# Altium PCB PowerSupply-Motherboard.PcbDoc (part 1 of 2) (continued)
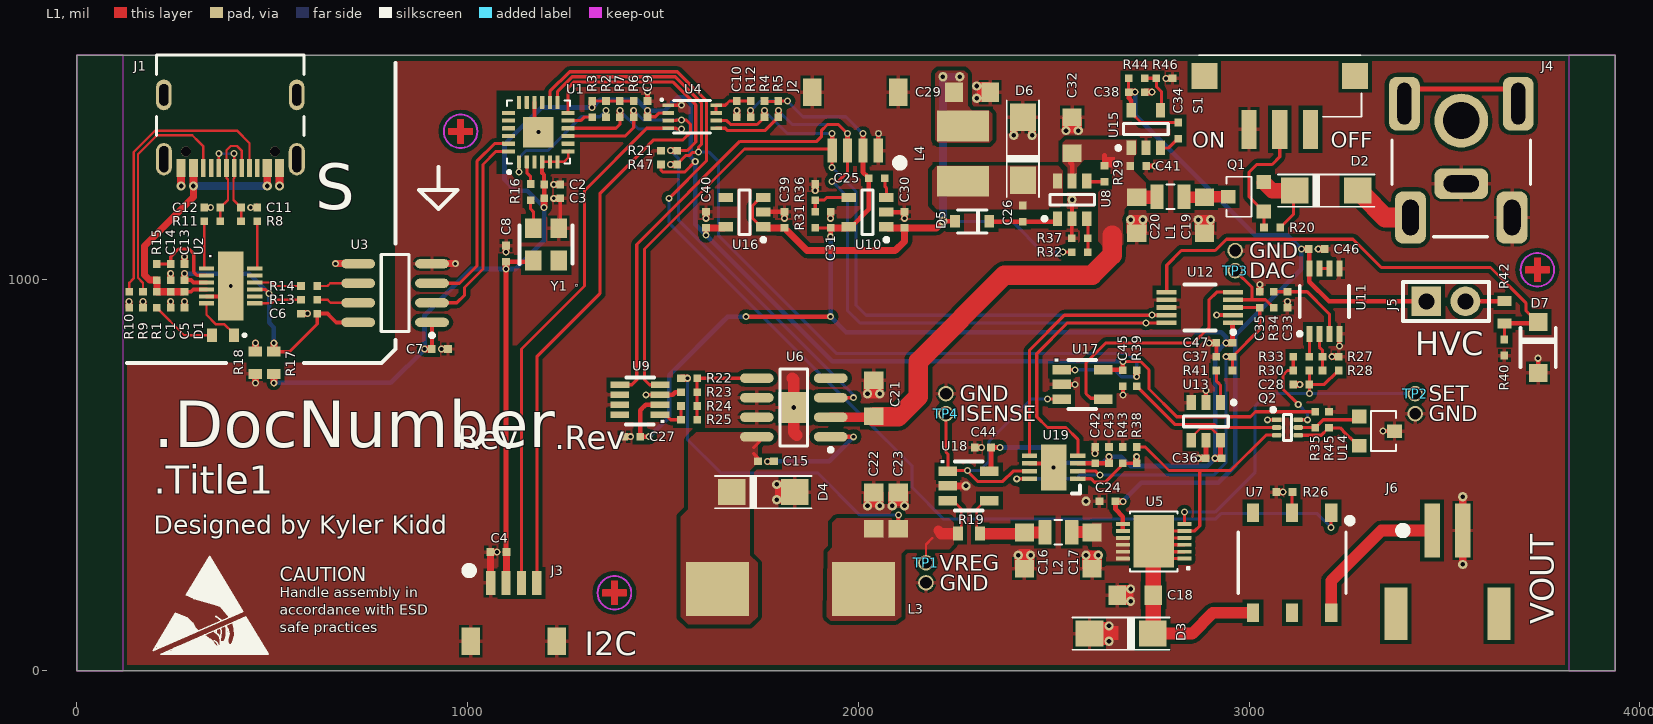
[diagram p0: L1 view]
## Footprints (in the part's own frame and the unit in brackets; to place one, negate y for a bottom-side part, rotate by r counter-clockwise, add the part's x,y. Pads: shape width x height; smd on the part's side, far side on the other; paste and mask are expansions set on the pad) (continued)
SMA [mm]
  rect 1.8x1.7 smd: 1(-2.068,0) 2(2.032,0)
  silkscreen extent -3.17,-1.08 3.13,1.05, body extent -2.74,-1.4 2.74,1.4, height 2.31
SOD-123 [mil]
  rect 46x48 smd: 1(-65,0) 2(65,0)
  silkscreen extent -50,-45 50,45, body extent -76,-32 76,35, height 56
SOD-323 [mm] "SOD-323/SC-76; 2 Leads; Body 1.7 x 1.3 mm, (LxW)"
  rect 0.63x0.83 smd: 1(1.115,0) 2(-1.115,0)
  silkscreen extent -0.95,-0.75 0.95,0.75, body extent -1.35,-0.63 1.35,0.62, height 1.1
SOIC-8 [mm]
  oval 2.2x0.6 smd mask+0.038: 1(-2.387,1.914) 2(-2.387,0.644) 3(-2.387,-0.626) 4(-2.387,-1.896) 5(2.413,-1.896) 6(2.413,-0.626) 7(2.413,0.644) 8(2.413,1.914)
  silkscreen extent -2.51,-2.49 0.91,2.89, body extent -2.93,-2.44 3.07,2.46, height 1.75
"SOIC-8 EP" [mm]
  oval 2.2x0.6 smd mask+0.038: 1(-2.404,1.905) 2(-2.404,0.635) 3(-2.404,-0.635) 4(-2.404,-1.905) 5(2.396,-1.905) 6(2.396,-0.635) 7(2.396,0.635) 8(2.396,1.905)
  rect 2x2 smd mask+0.038: 9(0,0)
  silkscreen extent -2.53,-2.5 0.9,2.88, body extent -2.95,-2.45 3.05,2.45, height 1.75
SOP-6 [mm]
  rect 0.8x1.2 smd: 1(-2.54,-3.25) 2(0,-3.25) 3(2.54,-3.25) 4(2.54,3.25) 5(0,3.25) 6(-2.54,3.25)
  silkscreen extent -3.88,-2.87 3.5,2, body extent -3.15,-3.32 3.15,3.32, height 2.1
SOT-23 [mm] "SOT-23"
  rect 0.9x0.95 smd mask+0.038: 1(-0.95,-1.15) 2(0,1.15) 3(0.95,-1.15)
  silkscreen extent -1.3,-0.37 1.3,1.25, body extent -1.46,-1.27 1.46,1.27, height 0.98
SOT-23-3 [mm] "TO-236-3, SC-59, SOT-23-3"
  rect 0.9x0.95 smd mask+0.038: 1(-1.009,-1.145) 2(0.891,-1.145) 3(-0.06,1.155)
  silkscreen extent -1.36,-0.37 1.24,1.26, body extent -1.46,-1.27 1.46,1.27, height 0.98
SOT-666 [mm] "6-Leads, Body 1.7x1.3mm, Pitch 0.5mm, Lead Span 1.7mm, IPC Medium Density"
  rect 0.6x0.3 smd mask+0.038: 1(-0.7,0.5)
  rrect50% 0.6x0.3 smd mask+0.038: 2(-0.7,0) 3(-0.7,-0.5) 4(0.7,-0.5) 5(0.7,0) 6(0.7,0.5)
  silkscreen extent -1.05,-0.85 0.25,1.28, body extent -0.8,-0.8 0.8,0.8, height 0.6
SOT-765 [mm] "8-MSOP (2.1 x 3.2 x 1.0 mm)"
  rect 0.75x0.25 smd mask+0.035: 1(-1.55,0.75) 2(-1.55,0.25) 3(-1.55,-0.25) 4(-1.55,-0.75) 5(1.55,-0.75) 6(1.55,-0.25) 7(1.55,0.25) 8(1.55,0.75)
  silkscreen extent -2,-1.05 1.2,1.12, body extent -1.62,-1.05 1.62,1.05, height 1
SW_SS312SAH4-R [mm]
  rect 2.55x1 smd: 1(1.525,-2) 2(1.525,0) 3(1.525,2)
  rect 1.7x1.7 smd: 4(-1.95,-4.9) 5(-1.95,4.9)
  silkscreen extent -3.3,-5.25 0.7,5.3, body extent -5.29,-5.25 2.16,5.25, height 3
TSOT23-5 [mm] "5-Lead Thin Small Outline Transistor Package [TSOT] (UJ-5)"
  rect 0.95x0.6 smd mask+0.038: 1(-1.225,0.95) 2(-1.225,0) 3(-1.225,-0.95) 4(1.225,-0.95) 5(1.225,0.95)
  silkscreen extent -1.35,-1.45 0.35,1.92, body extent -1.57,-1.48 1.62,1.42, height 0.94
TSOT-8 [mm]
  rect 0.4x1.22 smd mask+0.038: 1(-0.975,-1.31) 2(-0.325,-1.31) 3(0.325,-1.31) 4(0.975,-1.32) 5(0.975,1.3) 6(0.325,1.31) 7(-0.325,1.31) 8(-0.975,1.31)
  silkscreen extent -1.6,-0.93 1.45,0.9, body extent -1.44,-1.44 1.46,1.36, height 1
TSOT-23-5 [mm]
  rect 0.62x1.22 smd mask+0.038: 1(-0.95,-1.38) 2(0,-1.38) 3(0.95,-1.38) 4(0.95,1.32) 5(-0.95,1.32)
  silkscreen extent -1.6,-0.93 1.6,0.87, body extent -1.5,-1.53 1.5,1.47, height 1.46
TSOT-23-6 [mm]
  rect 0.95x0.6 smd mask+0.038: 1(-1.225,0.95) 2(-1.225,0) 3(-1.225,-0.95) 4(1.225,-0.95) 5(1.225,0) 6(1.225,0.95)
  silkscreen extent -1.35,-1.45 0.35,1.92, body extent -1.4,-1.5 1.4,1.5, height 0.86
TSW-102-xx-L-S [mil] "CONN MALE HEADER 2 POS .100\" T/H GOLD UNSHROUDED"
  rect 76x76 hole 41 mask+1.5: 1(-50,0)
  round 76 hole 41 mask+1.5: 2(50,0)
  silkscreen extent -110,-50 110,50, body extent -100,-50 100,50, height 330
USB4105-GF-A [mm]
  oval 1.05x2.1 hole 0.6 slot 1.7 at 90 deg: 1(-4.295,2.758) 4(4.345,2.758)
  oval 1x2 hole 0.6 slot 1.4 at 90 deg: 2(-4.295,-1.422) 3(4.345,-1.422)
  rect 0.6x1.15 smd: A1_B12(-3.175,3.333) A4_B9(-2.375,3.333) B1_A12(3.225,3.333) B4_A9(2.425,3.333)
  rect 0.3x1.15 smd: A5(-1.225,3.333) A6(-0.225,3.333) A7(0.275,3.333) A8(1.275,3.333) B5(1.775,3.333) B6(0.775,3.333) B7(-0.725,3.333) B8(-1.725,3.333)
  round 0.65 hole 0.65 unplated: ""(-2.865,2.258) ""(2.915,2.258)
  silkscreen extent -4.76,-4.02 4.82,1.23, body extent -4.47,-4.06 4.47,3.64, height 3.27
WURTH_WE-LHMI [mm] "Shield power inductor"
  rect 4.1x3.5 smd mask+0.038: 1(-4.75,0) 2(4.75,0)
  body extent -4.03,-4.06 3.97,3.94, height 4
XFL4020-xxxMEx [mm] "Fixed Inductor 4x4x2mm"
  rect 2x3.4 smd mask+0.038: 1(-1.8,0) 2(1.8,0)
  body extent -2.15,-2.15 2.15,2.15, height 2.08

## Part data
C1 C4 C39 C40 C43: library part CAP, "CAP CER 10UF 10V X5R 0402", Manufacturer="Samsung Electro-Mechanics", Part Number=CL05A106MP8NUB8, Voltage=10V, ClassName=-
C2 C5 C6 C7 C9 C10 C13 C14 C15 C27 C35 C37 C42 C44 C45 C46 C47: library part CAP, "CAP CER 0.1UF 50V X7R 0402", Manufacturer="Taiyo Yuden", Part Number=UMK105B7104KVHF, Voltage=50V
  C2 C5 C9 C10 C13 C14: ClassName=-
C3 C24 C30 C31 C36 C38 C41: library part CAP, "CAP MLCC 4.7UF 25V X5S 0402", Manufacturer="Murata Electronics", Part Number=GRM155C61E475ME15J, Voltage=25V, ClassName=-
C8 C25 C26 C28 C34: library part CAP, "CAP CER 0.01UF 100V X7R 0402", Manufacturer="Taiyo Yuden", Part Number=HMR105B7103MV-F, Voltage=100V
  C8: ClassName=-
C11 C12: library part CAP, "CAP CER 47PF 50V X7R 0402", Manufacturer=KEMET, Part Number=C0402C470K5RACAUTO, Voltage=50V, ClassName=-
C16 C17 C18 C19 C20 C21 C22 C23 C29 C32: library part CAP, "CAP CER 22UF 25V X5R 0805", Manufacturer="Samsung Electro-Mechanics", Part Number=CL21A226MAYNNNE, Voltage=25V
C33: library part CAP, "CAP CER 0.1UF 50V X7R 0603", Manufacturer=KEMET, Part Number=C0603C104K5RAC3121, Voltage=50V
D1: "LED HE RD 0603", Manufacturer=Bivar, Part Number=SM0603HCL, ClassName=-
D2 D4 D6: library part DIODE_SCHOTTKY, "DIODE SCHOTTKY 40V 2A SMA", Manufacturer="Diodes Incorporated", Part Number=B240A-13-F
D3: library part DIODE_ZENER, "TVS DIODE 12VWM UNI", Manufacturer="Eaton - Electronics Division", Part Number=SMAJE12AH
D5: library part DIODE, "DIODE GEN PURP 75V 150MA SOD323", Manufacturer="Taiwan Semiconductor", Part Number="1N4148WS-G RVG"
D7: library part DIODE_ZENER, "DIODE ZENER 7.5V 590MW SOD123", Manufacturer="Nexperia USA Inc.", Part Number=BZT52-B7V5X
J1: "CONN RCP USB2.0 TYP C 24P SMD RA", Manufacturer=GCT, Part Number=USB4105-GF-A
J2 J3: "JST 4 PIN SMT CONN", Manufacturer=JST, Part Number=CCSH-W10R-04TR-BK-A
J4: "CON PWR JCK 2.0 X 6.0MM W/SHLD 2.5A", Manufacturer="CUI Inc", Part Number=PJ-047A
J5: library part TSW-102-xx-L-S, "CONN MALE HEADER 2 POS .100\" T/H GOLD UNSHROUDED", Manufacturer=Samtec, Part Number=TSW-102-23-S-S
J6: "CONN HEADER SMD R/A 2POS 2MM", Manufacturer="JST Sales America Inc.", Part Number=S2B-PH-SM4-TB(LF)(SN)
L1 L2: library part SHIELDED_INDUCTOR, "FIXED IND 2.2UH 1.8A 139MOHM SMD", Manufacturer="Samsung Electro-Mechanics", Part Number=CIGT201610LH2R2MNE
L3: library part SHIELDED_INDUCTOR, "FIXED IND 10UH 5.2A 30 MOHM SMD", Manufacturer="Würth Elektronik", Part Number=74437368100
L4: library part SHIELDED_INDUCTOR, "FIXED IND 10UH 850MA 185MOHM SMD", Manufacturer=TDK, Part Number=VLCF4020T-100MR85
Q1: library part MOSFET_P, "MOSFET P-CH 30V 4.3A SOT23", Manufacturer="Diodes Incorporated", Part Number=DMP3056L-7
Q2: library part NPN_DUAL, "TRANS 2NPN 45V 0.1A SOT666", Manufacturer="Nexperia USA", Part Number=BCM847BV,115
R1 R2 R3 R47: library part RES, "RES 1K OHM 1% 1/16W 0402", Manufacturer=Bourns, Part Number=CR0402AFX-1001GLF, ClassName=-
R4 R5 R6 R7: library part RES, "RES SMD 2.7K OHM 1% 1/10W 0402", Manufacturer=Panasonic, Part Number=ERJ-2RKF2701X
R8 R11: library part RES, "RES SMD 27 OHM 1% 1/10W 0402", Manufacturer=Panasonic, Part Number=ERJ-2RKF27R0X, ClassName=-
R9 R10: library part RES, "RES SMD 5.1K OHM 1% 1/16W 0402", Manufacturer="Vishay / Dale", Part Number=CRCW04025K10FKED, ClassName=-
R12 R38: library part RES, "RES SMD 200K OHM 1% 1/16W 0402", Manufacturer=Bourns, Part Number=CR0402-FX-2003GLF
R13 R14 R16 R25 R41: library part RES, "RES 0 OHM JUMPER 1/16W 0402", Manufacturer="Vishay / Dale", Part Number=CRCW04020000Z0EDC, ClassName=-
R15 R20 R21 R22 R29 R35 R36 R37 R40 R46: library part RES, "RES SMD 10K OHM 1% 1/16W 0402", Manufacturer=Bourns, Part Number=CR0402-FX-1002GLF, ClassName=-
R17 R18: library part RES, "RES SMD 0 OHM JUMPER 1/3W 0603", Manufacturer="Vishay / Dale", Part Number=CRCW06030000Z0EAHP, ClassName=-
R19: library part RES, "RES 0.1 OHM 1% 1/10W 0603", Manufacturer="Panasonic Electronic Components", Part Number=ERJ-3RSFR10V
R23: library part RES, "RES SMD 6.34K OHM 1% 1/16W 0402", Manufacturer=Panasonic, Part Number=ERJ-U02F6341X
R24: library part RES, "RES SMD 680 OHM 1% 1/16W 0402", Manufacturer=Bourns, Part Number=CR0402-FX-6800GLF
R26: library part RES, "RES SMD 430 OHM 1% 1/16W 0402", Manufacturer="Bourns Inc.", Part Number=CR0402-FX-4300GLF
R27: library part RES, "RES SMD 10.2K OHM 0.1% 1/16W 0402", Manufacturer=Panasonic, Part Number=ERA-2APB1022X
R28: library part RES, "RES SMD 51K OHM 0.1% 1/16W 0402", Manufacturer=Panasonic, Part Number=ERA-2AEB513X
R30 R39: library part RES, "RES SMD 100 OHM 1% 1/16W 0402", Manufacturer=Panasonic, Part Number=ERJ-2RKF1000X
R31: library part RES, "RES SMD 30.9K OHM 1% 1/16W 0402", Manufacturer=Panasonic, Part Number=ERJ-2RKF3092X
R32: library part RES, "RES SMD 59K OHM 1% 1/16W 0402", Manufacturer="Vishay / Dale", Part Number=CRCW040259K0FKEDC
R33 R34: library part RES, "RES SMD 1K OHM 1% 1/16W 0402", Manufacturer=Bourns, Part Number=CR0402AFX-1001GLF
R42: library part RES, "RES 510 OHM 1% 1/10W 0603", Manufacturer=YAGEO, Part Number=RC0603FR-07510RL
R43: library part RES, "RES SMD 100K OHM 1% 1/16W 0402", Manufacturer=Bourns, Part Number=CR0402-FX-1003GLF, ClassName=-
R44: library part RES, "RES SMD 113K OHM 1% 1/16W 0402", Manufacturer="Vishay / Dale", Part Number=CRCW0402113KFKED
R45: library part RES, "RES SMD 1.2K OHM 1% 1/16W 0402", Manufacturer=Bourns, Part Number=CR0402-FX-1201GLF, ClassName=-
S1: "SWITCH SLIDE SPDT 0.4VA 28V", Manufacturer="NKK Switches", Part Number=SS312SAH4-R
TP1 TP2 TP3 TP4: library part TEST-POINT
U1: "IC UART I2C/SPI 24-HVQFN", Manufacturer="NXP USA Inc.", Part Number=SC16IS750IBS,128
U2: "IC USB SERIAL BASIC UART 12DFN", Manufacturer=FTDI, Part Number=FT234XD-R
U3: "2-CH 3KVRMS DIGITAL ISOLATOR", Manufacturer="Maxim Integrated", Part Number=MAX22421BASA+
U4: "IC TRNSLTR BIDIRECTIONAL 8VSSOP", Manufacturer="Texas Instruments", Part Number=LSF0102QDCURQ1
U5: "Linear Voltage Regulator IC Positive Adjustable 1 Output 3A 12-DFN (4x4)", Manufacturer="Analog Devices Inc.", Part Number=LT3083EDF#PBF
U6: "IC REG BUCK ADJUSTABLE 3A 8SOIC", Manufacturer="Analog Devices Inc.", Part Number=ADP2303ARDZ
U7: "SSR RELAY SPST-NO 4A 0-30V", Manufacturer="Omron Electronics Inc-EMC Div", Part Number=G3VM-31HR
U8: "IC REG BUCK ADJ 1A TSOT23-6", Manufacturer="Texas Instruments", Part Number=LMR12010XMKE/NOPB
U9: "IC DGTL POT xKOHM 256TAP SOT23-8", Manufacturer="Analog Devices Inc.", Part Number=AD5245BRJZ10-R2
U10 U15: library part LT1761ES5-BYP#TRMPBF, "IC REG LDO ADJ 0.1A TSOT23-5", Manufacturer="Linear Technology", Part Number=LT1761ES5-BYP#TRMPBF
U11: library part AD8072, "IC CMOS 2 CIRCUIT 8MSOP", Manufacturer="Analog Devices Inc.", Part Number=ADA4661-2ARMZ-R7
U12: "IC DAC 12BIT DUAL V-OUT 10MSOP", Manufacturer="Microchip Technology", Part Number=MCP47CMB22-E/UN
U13: library part MCP1501, "IC VREF SERIES 0.1% SOT23-6", Manufacturer="Microchip Technology", Part Number=MCP1501T-20E/CHY
U14: library part TL431xxDBZR, "IC VREF SHUNT ADJ SOT23-3", Manufacturer="Texas Instruments", Part Number=TLV431CDBZR
U16: library part ADP122AxxZ-xxx-R7, "IC REG LINEAR 3.3V 150MA TSOT5", Manufacturer="Analog Devices", Part Number=ADP121AUJZ-3.3-R7
U17: "IC COMP 1.6V SGL O-D SOT23-5", Manufacturer="Microchip Technology", Part Number=MCP6546T-E/OT
U18: "IC CURR SENSE 1 CIRCUIT SOT23-5", Manufacturer="Texas Instruments", Part Number=INA293A1QDBVRQ1
U19: "IC ADC 16BIT SIGMA-DELTA 8DFN", Manufacturer="Microchip Technology", Part Number=MCP3426A0-E/MC
Y1: library part ASE-XXXXX-MHZ-X-X, "XTAL OSC XO 14.7456MHZ CMOS SMD", Manufacturer=Abracon, ClassName=-, Part Number=ASE-14.7456MHZ-LC-T

## Free pads (board coordinates)
  round 40 hole 30: ""(2173.23,224.41) ""(2224.41,708.66) ""(2964.57,1074.8) ""(3425.2,657.48)

## Via types
v1: diameter 18, hole 10, L1 to L4, tented both sides, 118 vias
v2: diameter 23.62, hole 11.81, L1 to L4, tented both sides, 39 vias

## Nets (pads, with @x,y where several pads share a name; then routed paths per layer and width w, separated by ;. In a path a pad name is that pad's centre, name@x,y a point inside that pad or via, vN(x,y) a via of type N, cw(c..) or ccw(c..) an arc to the next point about the centre after c; other vN are vias at no path point)
+3.3V: C2.2 C3.2 C4.2 C7.2 C8.2 C9.2 C40.2 C45.2 J3.2 R2.2 R3.2 R6.2 R7.2 R17.1 R35.1 R47.2 U1.4 U1.5 U1.6 U1.7 U3.1 U4.2 U16.5 U17.5 Y1.4 | length 5522.9
  L1 w6: U1.4@1190.94,1301.77 1207.28,1301.77 U1.5@1208.66,1303.15 ; U1.5@1210.63,1301.77 U1.6@1230.31,1301.77 1246.65,1301.77 1257.28,1312.4 U1.7@1257.28,1328.74 ; U1.7@1259.84,1328.74 U1.7@1259.84,1330.71
  L1 w8: R3.2@1318.9,1457.68 R2.2@1354.33,1457.68 ; R2.2@1350.39,1456.69 1351.38,1457.68 R2.2@1354.33,1457.68 ; R7.2@1389.76,1456.69 1388.78,1457.68 R2.2@1354.33,1457.68 ; R7.2@1389.76,1457.68 1424.21,1457.68 R6.2@1425.2,1456.69 ; C9.2@1460.63,1417.32 1480.31,1417.32 1490.16,1427.17 U4.2@1513.78,1427.17 ; R47.2@1495.08,1295.28 1495.08,1280.51 1500,1275.59 1555.12,1275.59 v1(1582.68,1303.15) ; v1(2677.17,791.34) 2722.37,791.34 2744.09,769.62 2744.09,720.47 2814.96,649.61 3003.94,649.61 3016.73,662.4 R35.1@3169.29,662.4
  L1 w10: C7.2@908.46,822.83 908.46,888.78 U3.1@909.45,889.76 ; U1.4@1190.94,1301.77 1190.94,1273.62 1192.91,1271.65 1195.87,1268.7 C2.2@1195.87,1244.09
  L1 w12: C4.2@1098.43,307.09 v1(1098.43,1027.56) ; C8.2@1098.43,1046.26 1158.46,1046.26 Y1.4@1161.42,1043.31 ; J3.2@1099.41,239.17 J3.2@1102.36,236.22 ; C2.2@1192.91,1240.16 1195.87,1237.2 C3.2@1195.87,1208.66 ; v1(1610.24,1114.17) C40.2@1610.24,1129.92 ; U17.5@2626.77,769.68 2671.26,769.68 C45.2@2673.23,767.72 ; C45.2@2677.17,768.7 v1(2677.17,791.34)
  L1 w18: v1(503.94,736.22) R17.1@503.94,755.91 ; v1(889.76,822.83) C7.2@905.51,822.83 ; J3.2@1098.43,220.47 J3.2@1098.43,224.41 ; J3.2@1098.43,244.09 1099.41,245.08 C4.2@1099.41,303.15 ; C4.2@1098.43,303.15 C4.2@1099.41,304.13 ; v1(1098.43,1027.56) C8.2@1098.43,1046.26 ; v1(1195.87,1185.04) 1195.87,1207.68 C3.2@1196.85,1208.66 ; v1(1318.9,1440.94) R3.2@1318.9,1456.69 ; C9.2@1460.63,1417.32 v1(1460.63,1433.07) ; C40.2@1610.24,1132.87 1656.5,1132.87 U16.5@1657.48,1133.86
  L4 w12: v1(503.94,736.22) 803.15,736.22 v1(889.76,822.83) 889.76,909.45 1007.87,1027.56 v1(1098.43,1027.56) 1122.05,1027.56 1195.87,1101.38 v1(1195.87,1185.04) 1152.56,1228.35 1122.05,1228.35 1094.49,1255.91 1094.49,1346.46 1188.98,1440.94 v1(1318.9,1440.94) 1338.27,1460.32 1405.51,1460.32 ; 1405.51,1460.63 1433.07,1460.63 v1(1460.63,1433.07) 1503.94,1433.07 1537.72,1466.85 1556.77,1466.85 1570.87,1452.76 1570.87,1335.37 1570.55,1335.06 1570.55,1315.28 v1(1582.68,1303.15) 1582.68,1141.73 v1(1610.24,1114.17) 1933.07,791.34 v1(2677.17,791.34)
+3.3VB: C6.2 C13.2 R17.2 U2.3 U2.9 U3.8 | length 789
  L1 w8: 298.23,993.11 299.21,992.13 ; U2.9@455.71,975.39 481.3,975.39 v1(492.13,964.57) ; R17.2@503.94,815.94 544.29,815.94 615.16,886.81 C6.2@615.16,913.39
  L1 w10: C13.2@275.59,999.02 292.32,999.02 298.23,993.11 U2.3@331.69,993.11 ; C6.2@615.16,913.39 641.73,913.39 649.61,905.51 663.94,891.18 U3.8@719.96,891.18
  L1 w18: C13.2@275.59,1000 v1(275.59,1015.75) ; R17.2@503.94,815.94 v1(503.94,838.58)
  L4 w12: v1(275.59,1015.75) 440.94,1015.75 v1(492.13,964.57) 492.13,889.76 503.94,877.95 v1(503.94,838.58)
+5.0V: C25.1 C27.2 C31.2 C36.2 C42.2 C43.2 C44.2 C47.2 J2.2 R4.2 R5.2 R12.2 R31.2 U9.2 U10.5 U12.1 U13.4 U13.6 U18.5 U19.3 | length 4307.6
  L1 w6: U13.4@2852.36,589.57 2852.36,596.45 2874.02,618.11 2905.51,618.11 2913.19,610.43 ; 2913.39,610.24 2927.16,596.46 U13.6@2927.16,589.57
  L1 w8: R4.2@1759.84,1456.69 1794.29,1456.69 R5.2@1795.28,1457.68 1817.91,1457.68 v1@1818.9,1456.69 ; R31.2@1889.76,1133.86 1890.75,1132.87 C31.2@1929.13,1132.87
  L1 w12: v1(1464.57,598.43) C27.2@1441.93,598.43 1441.93,666.34 1452.76,677.17 1455.71,680.12 U9.2@1492.52,680.12 ; v1(1712.6,905.51) v1(1929.13,905.51) ; v1(1929.13,1110.24) C31.2@1929.13,1132.87 ; U10.5@1980.32,1133.86 2026.57,1180.12 C25.1@2026.57,1259.84 ; v1(2011.81,1374.02) J2.2@2011.81,1330.71 2011.81,1275.59 C25.1@2023.62,1263.78 ; U18.5@2338.58,511.81 2339.57,512.8 C44.2@2339.57,570.87 v1(2362.2,570.87) ; U19.3@2562.06,530.15 2601.01,530.15 C42.2@2602.36,531.5 ; C42.2@2606.3,530.51 2636.81,530.51 C43.2@2637.8,531.5 ; U13.6@2927.16,589.57 2927.16,549.22 C36.2@2929.13,547.24 ; C47.2@2957.68,838.58 2957.68,886.81 U12.1@2960.63,889.76
  L1 w18: R12.2@1724.41,1417.32 v1(1724.41,1433.07) ; C31.2@1929.13,1132.87 1967.52,1132.87 U10.5@1968.5,1133.86 ; U10.5@1975.39,1132.87 U10.5@1976.38,1133.86 ; C43.2@2641.73,531.5 v1(2641.73,547.24) ; v1(2913.39,543.31) C36.2@2930.12,543.31 ; v1(2940.94,838.58) C47.2@2956.69,838.58
  L4 w8: v1(1724.41,1433.07) 1749.02,1457.68 v1(1818.9,1457.68) ; v1@1818.9,1456.69 1858.27,1417.32 1968.5,1417.32 v1(2011.81,1374.02)
  L4 w12: v1(1464.57,598.43) 1515.75,649.61 1515.75,755.91 1657.48,897.64 ; 1531.5,771.65 1665.35,905.51 v1(1712.6,905.51) ; v1(1929.13,1110.24) v1(1929.13,905.51) 1968.5,866.14 2929.13,866.14 2940.94,854.33 v1(2940.94,838.58) 2913.39,811.02 v1(2913.39,543.31) 2893.39,523.31 2697.17,523.31 2688.98,531.5 2673.23,547.24 v1(2641.73,547.24) 2625.98,531.5 2531.5,531.5 2492.13,570.87 v1(2362.2,570.87)
+5.5V: C29.2 C30.2 C39.2 D5.1 L4.2 R32.2 U10.1 U16.1 U16.3 | length 1460.2
  L1 w8: U16.3@1744.09,1204.72 1729.19,1189.82 1729.19,1157.69 1751.05,1135.83 U16.1@1756.89,1135.83 ; v1(2523.62,1070.87) R32.2@2543.31,1070.87
  L1 w12: v2(2216.54,1149.61) D5.1@2247.44,1149.61
  L1 w18: U16.1@1767.72,1133.86 1768.7,1132.87 C39.2@1811.02,1132.87 1869.09,1074.8 2094.49,1074.8 2118.11,1098.43 C30.2@2118.11,1132.87 ; U10.1@2074.8,1133.86 U10.1@2075.79,1132.87 ; U10.1@2078.74,1133.86 2079.72,1132.87 C30.2@2118.11,1132.87 ; C30.2@2118.11,1133.86 C30.2@2118.11,1132.87 ; v2(2216.54,1149.61) 2199.8,1132.87 C30.2@2118.11,1132.87
  L4 w8: v2(2216.54,1149.61) 2393.7,1149.61 2472.44,1070.87 v1(2523.62,1070.87)
  L4 w20: v2(2216.54,1149.61) v2(2216.53,1519.69) v2(2259.84,1519.69)
+15.0V: C24.2 C34.1 C38.2 C46.2 J5.1 R44.2 U5.7 U5.8 U11.8 U15.5 | length 2339.7
  L1 w8: C38.2@2691.93,1480.32 2691.93,1514.76 R44.2@2692.91,1515.75 ; U15.5@2698.82,1434.06 2698.82,1427.17 2723.42,1402.56 C34.1@2818.9,1402.56
  L1 w12: C24.2@2658.46,433.07 2658.46,412.4 2677.17,393.7 U5.7@2677.17,377.95 ; U5.8@2677.17,358.27 U5.7@2677.17,375 ; C38.2@2692.91,1480.32 2692.91,1464.57 2698.82,1458.66 U15.5@2698.82,1434.06 ; v1(3133.86,1078.74) C46.2@3152.56,1078.74 3153.54,1078.74 3154.52,1077.77 U11.8@3154.52,1028.74 3154.52,995.09 3204.72,944.88 J5.1@3453.94,944.88 J5.1@3456.69,944.88
  L1 w18: C24.2@2658.46,433.07 v1(2677.17,433.07) ; C38.2@2691.93,1480.32 2692.91,1480.32 v1(2708.66,1480.32)
  L4 w12: v1(2677.17,433.07) 2724.41,480.32 2921.26,480.32 2964.57,523.62 2964.57,858.27 3133.86,1027.56 v1(3133.86,1078.74) 3098.43,1114.17 3015.75,1114.17 2708.66,1421.26 v1(2708.66,1480.32)
+HVC: J5.2 R42.2 | length 99.6
  L1 w12: J5.2@3553.94,944.88 R42.2@3653.54,944.88
+VEXT: D2.1 J4.1 | length 145.7
  L1 w50: D2.1@3291.34,1216.54 3348.43,1159.45 J4.1@3413.39,1159.45
CS+: C22.2 C23.2 L3.2 R19.2 R22.1 TP1.1 U18.3 | length 1043.7
  L1 w6: TP1.1@2173.23,275.59 2173.23,322.83 2188.98,338.58 ; U18.3@2229.13,435.04 2242.13,435.04 2263.78,413.39 R19.2@2263.78,358.27
  L1 w8: C23.2@2102.36,363.19 v1(2102.36,397.64)
  L1 w18: R22.1@1547.24,748.03 v1(1562.99,748.03)
  L1 w25: 2204.72,358.27 2212.6,350.39
  L1 w30: 2212.6,350.39 R19.2@2250,350.39
  L4 w8: v1(1562.99,748.03) 1562.99,590.55 1647.64,505.91 1895.67,505.91 2003.94,397.64 v1(2102.36,397.64)
CS-: C16.2 L2.1 R19.1 U18.4 | length 262.9
  L1 w6: R19.1@2303.15,354.33 2303.15,413.39 2324.8,435.04 U18.4@2335.43,435.04
  L1 w30: R19.1@2314.96,350.39 C16.2@2425.2,350.39 ; C16.2@2425.2,353.35 2473.43,353.35 L2.1@2476.38,350.39
EARTH: C1.1 C5.1 C6.1 C11.1 C12.1 C13.1 C14.1 J1.1 J1.2 J1.3 J1.4 J1.A1_B12 J1.B1_A12 R9.1 R10.1 R18.2 U2.5 U2.13 U3.5 | length 362.4
  L1 w10: U2.5@331.69,957.68 380.91,957.68 U2.13@381.89,956.69
  L1 w12: C12.1@326.77,1185.04 v1(342.52,1185.04) ; v1(444.88,1185.04) 456.69,1185.04 C11.1@460.63,1188.98
  L1 w18: R10.1@133.86,929.13 v1(133.86,944.88) ; R9.1@169.29,929.13 v1(169.29,944.88) ; C1.1@240.16,929.13 v1(240.16,944.88) ; C14.1@240.16,1000 v1(240.16,1015.75) ; C5.1@275.59,929.13 v1(275.59,944.88) ; C13.1@275.59,1039.37 C13.1@275.59,1040.35 v1(275.59,1059.06) ; R18.2@456.69,815.94 v1(456.69,838.58) ; C6.1@573.82,913.39 v1(590.55,913.39) ; v1(661.42,1041.18) 706.54,1041.18 U3.5@708.66,1043.31
  L1 w20: J1.B1_A12@266.73,1286.12 266.73,1241.14 v2@267.72,1240.16 ; J1.A1_B12@518.68,1286.12 518.68,1241.16 v2@519.68,1240.16
  other v1: 393.7,984.25
  other v2: 266.73,1240.16 518.68,1240.16
EXT_SCL: J3.4 R6.1 U1.9 U4.3 | length 1791
  L1 w8: J3.4@1177.17,224.41 1177.17,803.15 1338.58,964.57 1338.58,1220.47 1476.38,1358.27 1551.18,1358.27 1570.87,1377.95 1570.87,1397.64 1559.06,1409.45 v1(1547.24,1409.45) 1535.43,1409.45 1533.46,1407.48 U4.3@1513.78,1407.48 ; U1.9@1257.28,1368.11 1403.54,1368.11 1425.2,1389.76 R6.1@1425.2,1413.39
  L1 w18: R6.1@1425.2,1417.32 v1(1425.2,1433.07)
  L4 w8: v1(1425.2,1433.07) 1448.82,1409.45 v1(1547.24,1409.45)
EXT_SDA: J3.3 R7.1 U1.10 U4.4 | length 1733.7
  L1 w8: J3.3@1137.8,224.41 1137.8,822.83 1299.21,984.25 1299.21,1228.35 1458.66,1387.8 U4.4@1513.78,1387.8 1533.46,1387.8 1535.43,1385.83 v1(1547.24,1385.83) ; U1.10@1257.28,1387.8 1379.92,1387.8 1389.76,1397.64 R7.1@1389.76,1416.34
  L1 w18: R7.1@1389.76,1417.32 v1(1389.76,1433.07)
  L4 w8: v1(1389.76,1433.07) 1437.01,1385.83 v1(1547.24,1385.83)
GND: C2.1 C3.1 C4.1 C7.1 C8.1 C9.1 C10.1 C16.1 C17.1 C18.1 C19.1 C20.1 C21.1 C22.1 C23.1 C24.1 C27.1 C28.1 C29.1 C30.1 C31.1 C32.1 C33.1 C35.1 C36.1 C37.1 C38.1 C39.1 C40.1 C41.1 C42.1 C43.1 C44.1 C45.1 C46.1 C47.1 D3.1 D4.1 D6.1 D7.1 J2.1 J2.S1 J2.S2 J3.1 J3.S1 J3.S2 J4.2 J4.3 J6.2 pad. Q2.1 R18.1 R21.2 R23.1 R26.1 R27.1 R36.2 R37.2 R40.2 R43.2 R45.1 R46.2 S1.1 U1.16 U1.25 U3.4 U4.1 U6.6 U6.7 U6.9 U8.2 U9.3 U9.6 U9.7 U10.2 U11.4 U11.5 U12.2 U12.7 U12.8 U13.2 U13.3 U13.5 U14.3 U15.2 U16.2 U17.2 U18.2 U19.6 U19.9 Y1.2 | length 2707.1
  L1 w8: U12.8@2789.37,929.13 U12.8@2803.15,929.13
  L1 w10: C8.1@1098.43,1087.6 C8.1@1098.43,1088.55 ; U1.16@1171.26,1454.13 1171.26,1395.67 U1.25@1173.23,1393.7 ; Y1.2@1232.28,1133.86 1237.2,1138.78 C3.1@1237.2,1208.66 ; v1(1456.69,705.71) 1483.27,705.71 U9.3@1484.25,704.72 ; U4.1@1513.78,1446.85 1545.28,1446.85 v1@1547.24,1448.82 ; U19.6@2438.04,530.15 2486.84,530.15 U19.9@2488.19,531.5 ; R37.2@2546.26,1106.3 2546.26,1148.62 U8.2@2547.24,1149.61 ; U8.2@2547.25,1156.49 v2(2547.25,1204.72) ; v1(2677.17,704.72) C45.1@2677.17,724.41 ; U13.2@2888.78,686.03 2889.76,685.04 v1(2889.76,716.54) ; C37.1@2916.34,803.15 2916.34,837.6 C47.1@2917.32,838.58 ; v1(2917.32,909.45) U12.2@2940.94,909.45 ; v1(3047.24,641.73) 3047.46,641.95 3070.87,641.95 Q2.1@3070.87,641.73 ; v1(3342.52,612.58) 3368.48,612.58 U14.3@3370.08,614.17
  L1 w12: C9.1@1460.63,1457.68 v1(1460.63,1480.32) ; U9.3@1492.52,705.71 1524.61,705.71 1531.5,712.6 R23.1@1543.31,712.6 ; U16.2@1759.84,1173.23 1760.83,1174.21 C39.1@1811.02,1174.21 ; J2.1@2051.18,1330.71 v1(2051.18,1374.02) ; U10.2@2071.85,1173.23 C30.1@2118.11,1173.23 ; U17.2@2520.47,732.28 v1(2555.12,732.28) ; C41.1@2737.2,1291.34 v1(2759.84,1291.34) ; C36.1@2888.78,543.31 2893.39,543.31 2893.39,547.24 2889.76,550.87 U13.5@2889.76,582.68 ; v1(3231.32,830.71) 3231.32,857.3 U11.4@3232.28,858.27 ; D7.1@3740.16,761.77 v1(3740.16,799.21)
  L1 w18: v1(456.69,736.22) R18.1@456.69,758.86 R18.1@456.69,759.84 ; U3.4@929.13,1043.31 931.26,1041.18 v1(968.5,1041.18) ; v1(933.07,822.83) C7.1@948.82,822.83 ; C4.1@1058.07,303.15 1058.07,237.2 J3.1@1059.06,236.22 ; C4.1@1059.06,303.15 v1(1074.8,303.15) ; v1(1098.43,1070.87) C8.1@1098.43,1086.61 ; v1(1220.47,1208.66) C3.1@1236.22,1208.66 ; v1(1220.47,1244.09) C2.1@1236.22,1244.09 ; C27.1@1401.57,598.42 v1(1417.32,598.42) ; v1(1610.24,1157.48) C40.1@1610.24,1173.23 ; C10.1@1688.98,1417.32 v1(1688.98,1433.07) ; v1(1811.02,1157.48) C39.1@1811.02,1173.23 ; v1(1889.76,1228.35) R36.2@1889.76,1244.09 ; v1(1929.13,1157.48) C31.1@1929.13,1173.23 ; v1(2118.11,1157.48) C30.1@2118.11,1173.23 ; U18.2@2236.22,472.44 v2(2275.59,472.44) ; C44.1@2298.23,570.87 v1(2314.96,570.87) ; v1(2606.3,555.12) C42.1@2606.3,570.87 ; C38.1@2733.27,1480.32 v1(2751.97,1480.32) ; v1(2787.4,1515.75) R46.2@2803.15,1515.75 ; v1(2870.08,543.31) C36.1@2888.78,543.31 ; v1(2897.64,838.58) C47.1@2916.34,838.58 ; C35.1@3027.56,969.49 v1(3027.56,988.19) ; R26.1@3070.87,456.69 v1(3086.61,456.69) ; C33.1@3098.43,928.15 v1(3098.43,944.88) ; C28.1@3113.19,732.28 v1(3129.92,732.28) ; v1(3177.17,1078.74) C46.1@3192.91,1078.74 ; v1(3212.6,803.15) R27.1@3224.41,803.15
  L1 w20: v2(1791.34,437.01) 1818.9,437.01 D4.1@1826.77,444.88 ; v2(1791.34,476.38) 1818.9,476.38 D4.1@1826.77,468.5 ; v2(2023.62,421.26) 2023.62,452.76 C22.1@2027.56,456.69 ; v2(2023.62,708.66) C21.1@2023.62,740.16 ; C22.1@2051.18,456.69 2055.12,452.76 v2(2055.12,421.26) ; v2(2055.12,708.66) C21.1@2055.12,740.16 ; v2(2086.61,421.26) 2086.61,452.76 C23.1@2090.55,456.69 ; C23.1@2114.17,456.69 2118.11,452.76 v2(2118.11,421.26) ; v2(2303.15,1464.57) 2334.65,1464.57 C29.1@2338.58,1468.5 ; v2(2303.15,1496.06) 2334.65,1496.06 C29.1@2338.58,1492.13 ; v2(2397.64,1370.08) D6.1@2397.64,1401.57 ; v2(2409.45,295.28) 2409.45,263.78 C16.1@2413.39,259.84 ; C16.1@2437.01,259.84 2440.94,263.78 v2(2440.94,295.28) ; v2(2444.88,1370.08) D6.1@2444.88,1401.57 ; v2(2531.5,1381.89) 2531.5,1413.39 C32.1@2535.43,1417.32 ; C32.1@2559.06,1417.32 2562.99,1413.39 v2(2562.99,1381.89) ; v2(2582.68,295.28) 2582.68,263.78 C17.1@2586.61,259.84 ; D3.1@2606.3,82.68 2614.17,74.8 v2(2641.73,74.8) ; D3.1@2606.3,106.3 2614.17,114.17 v2(2641.73,114.17) ; C17.1@2610.24,259.84 2614.17,263.78 v2(2614.17,295.28) ; C18.1@2661.42,181.1 2665.35,177.17 v2(2696.85,177.17) ; C18.1@2661.42,204.72 2665.35,208.66 v2(2696.85,208.66) ; v2(2696.85,1153.54) 2696.85,1122.05 C20.1@2700.79,1118.11 ; C20.1@2724.41,1118.11 2728.35,1122.05 v2(2728.35,1153.54) ; v2(2870.08,1153.54) 2870.08,1129.92 C19.1@2874.02,1125.98 ; C19.1@2897.64,1118.11 2901.57,1122.05 v2(2901.57,1153.54) ; v2(3547.24,271.65) J6.2@3547.24,318.9 ; J6.2@3547.24,342.52 J6.2@3547.24,358.27 v2(3547.24,444.88)
  L1 w30: 1830.71,748.03 1834.65,744.09 v2(1834.65,673.23) 1834.65,610.24 1842.52,602.36
  other v1: 2500,519.69 1181.1,1377.95 1547.24,1446.85
  other v2: 2582.68,433.07
HV_SCL: J2.4 R4.1 U4.6 U9.4 U12.9 U19.5 | length 3173.6
  L1 w8: U9.4@1492.91,731.3 1465.55,731.3 1452.76,744.09 1452.76,1078.74 1708.66,1334.65 J2.4@1933.07,1334.65 ; U4.6@1635.83,1407.48 1663.39,1407.48 1673.37,1397.5 1741,1397.5 R4.1@1759.84,1416.34 ; v1(1933.07,1287.4) J2.4@1933.07,1318.9 ; U19.5@2438.04,549.83 2438.04,819.93 2527.56,909.45 v1(2751.97,909.45) U12.9@2771.65,909.45
  L1 w12: J2.4@1933.07,1334.65 v1(1933.07,1374.02)
  L1 w18: R4.1@1759.84,1417.32 v1(1759.84,1433.07)
  L4 w8: v1(1759.84,1433.07) 1818.9,1374.02 v1(1933.07,1374.02) ; v1(1933.07,1287.4) 1994.09,1226.38 1994.09,935.04 2019.68,909.45 v1(2751.97,909.45)
HV_SDA: J2.3 R5.1 U4.5 U9.5 U12.10 U19.4 | length 3417.8
  L1 w8: U9.5@1389.76,731.3 1420.28,731.3 1433.07,744.09 1433.07,1090.55 1696.85,1354.33 1893.7,1354.33 1905.51,1366.14 1905.51,1381.89 1921.26,1397.64 1948.82,1397.64 v1(1972.44,1374.02) ; U4.5@1635.83,1387.8 1659.45,1387.8 1665.35,1381.89 1760.83,1381.89 R5.1@1795.28,1416.34 ; v1(1933.07,1251.97) 1948.82,1251.97 1972.44,1275.59 J2.3@1972.44,1326.77 ; U19.4@2562.06,549.83 2562.06,591.48 2531.5,622.05 2484.25,622.05 2456.69,649.61 2456.69,811.02 2535.43,889.76 v1(2736.22,889.76) U12.10@2767.72,889.76
  L1 w12: J2.3@1972.44,1330.71 v1(1972.44,1374.02)
  L1 w18: R5.1@1795.28,1417.32 v1(1795.28,1433.07)
  L4 w8: v1(1795.28,1433.07) 1830.71,1397.64 1948.82,1397.64 v1(1972.44,1374.02) ; v1(1933.07,1251.97) 1972.44,1212.6 1972.44,921.26 2003.94,889.76 v1(2736.22,889.76)
HVC: D7.2 R40.1 R42.1 U12.6 | length 1248.2
  L1 w7.87: U12.6@2789.37,968.5 2789.37,1037.41 2826.77,1074.8 2913.39,1074.8 2942.32,1103.74 3266.34,1103.74 3338.58,1031.5 3618.11,1031.5 3708.66,940.94 3708.66,921.26 D7.2@3724.41,905.51
  L1 w8: R40.1@3653.54,847.44 R42.1@3653.54,885.83
  L1 w12: R42.1@3653.54,888.78 3731.3,888.78 D7.2@3736.22,893.7
ILIM: R39.2 R47.1 U1.13 U17.1 | length 2355.9
  L1 w8: U1.13@1230.31,1454.13 1230.31,1482.28 1267.72,1519.69 1531.5,1519.69 1598.43,1452.76 1598.43,1346.46 1590.55,1338.58 v1(1590.55,1326.77) ; R47.1@1536.42,1295.28 1536.42,1296.26 1557.87,1317.71 1567.19,1317.71 1575.53,1326.05 1585.89,1326.05 v1@1586.61,1326.77 ; U17.1@2520.47,769.68 2553.15,769.68 v1@2555.12,767.72
  L1 w18: v1(1519.68,1295.28) R47.1@1535.43,1295.28 ; v1(2712.6,751.97) R39.2@2712.6,767.72
  L4 w8: v1(1590.55,1326.77) 1618.11,1326.77 1641.73,1303.15 1641.73,1114.17 1944.88,811.02 2688.98,811.02 2712.6,787.4 v1(2712.6,751.97) 2673.23,751.97 2655.51,769.68 v1(2555.12,769.68)
"ILIM OUT": U12.5 U17.4 | length 619.1
  L1 w8: U17.4@2622.05,692.91 2618.11,696.85 2594.49,696.85 2582.68,708.66 2582.68,787.4 2633.86,838.58 2858.27,838.58 2897.64,877.95 2897.64,948.82 2917.32,968.5 U12.5@2958.67,968.5 ; U17.4@2625.39,696.26 U17.4@2626.77,694.88
ISENSE: TP4.1 U17.3 U18.1 U19.7 | length 707.5
  L1 w8: TP4.1@2224.41,657.48 2224.41,559.06 2229.13,554.33 U18.1@2229.13,509.84 ; U18.1@2240.16,511.81 2242.13,509.84 2244.09,511.81 v1(2279.52,511.81) 2279.52,509.85 2305.12,484.25 2370.08,484.25 2396.29,510.46 U19.7@2438.04,510.46 ; v1(2484.25,694.88) 2505.91,694.88 U17.3@2507.87,696.85
  L4 w8: v1(2279.52,511.81) 2311.02,511.81 2334.65,535.43 2334.65,586.61 2442.91,694.88 v1(2484.25,694.88)
NetC10_2: C10.2 R12.1 U4.7 U4.8 | length 112
  L1 w8: U4.7@1635.83,1427.17 1635.83,1442.91 U4.8@1637.8,1444.88 ; U4.8@1635.83,1446.85 1659.45,1446.85 1670.28,1457.68 C10.2@1688.98,1457.68 ; C10.2@1688.98,1456.69 1689.96,1457.68 R12.1@1724.41,1457.68
NetC14_2: C14.2 R15.2 U2.2 | length 210
  L1 w8: R15.2@204.72,1040.35 239.17,1040.35 C14.2@240.16,1039.37 ; C14.2@240.16,1040.35 240.16,1059.06 259.84,1078.74 287.4,1078.74 299.21,1066.93 299.21,1019.69 307.09,1011.81 330.71,1011.81 U2.2@331.69,1010.83
NetC15_2: C15.2 U6.1 | length 291.4
  L1 w12: U6.1@1960.63,594.49 1964.37,598.23 v1(1988.19,598.23)
  L1 w18: v1(1767.72,535.43) C15.2@1783.46,535.43
  L4 w12: v1(1767.72,535.43) 1925.2,535.43 v1@1988.19,598.43
NetC19_2: C19.2 L1.1 Q1.2 | length 106.4
  L1 w25: C19.2@2874.02,1212.6 C19.2@2877.95,1216.54
  L1 w30: L1.1@2834.65,1212.6 2835.63,1211.61 C19.2@2885.83,1211.61 ; C19.2@2897.64,1212.6 Q1.2@2946.85,1212.6
NetC25_2: C25.2 U10.3 | length 50.8
  L1 w8: C25.2@2067.91,1259.84 2067.91,1239.17 2071.85,1235.24 U10.3@2071.85,1210.63
NetC26_2: C26.2 D5.2 U8.1 | length 174.3
  L1 w12: D5.2@2335.24,1149.61 2338.58,1149.61 2339.57,1148.62 C26.2@2421.26,1148.62 2504.92,1148.62 U8.1@2507.87,1145.67
NetC28_2: C28.2 R28.2 R30.2 TP2.1 U5.6 | length 989.6
  L1 w8: U5.6@2834.65,374.02 U5.6@2834.65,375 v1(2834.65,405.51) ; v1@3153.54,708.66 3154.53,709.65 C28.2@3154.53,732.28 3192.91,732.28 R28.2@3224.41,763.78 ; C28.2@3153.54,732.28 3154.53,733.27 R30.2@3154.53,767.72
  L4 w8: v1(2834.65,405.51) 2913.39,405.51 3015.75,507.87 3015.75,677.17 3019.68,681.1 3047.24,708.66 v1(3154.53,708.66) TP2.1@3425.2,708.66